# Altium PCB Master.PcbDoc (part 1 of 2)
Units mm, origin at the board's own origin, x right, y up, seen from the top; angles counter-clockwise.
Board outline 200 x 100 mm, 2 copper layers (Top Layer, Bottom Layer); 93 components, 64 nets, 321 pads, 80 vias.
Unrouted connection lines stored in the file: 1.
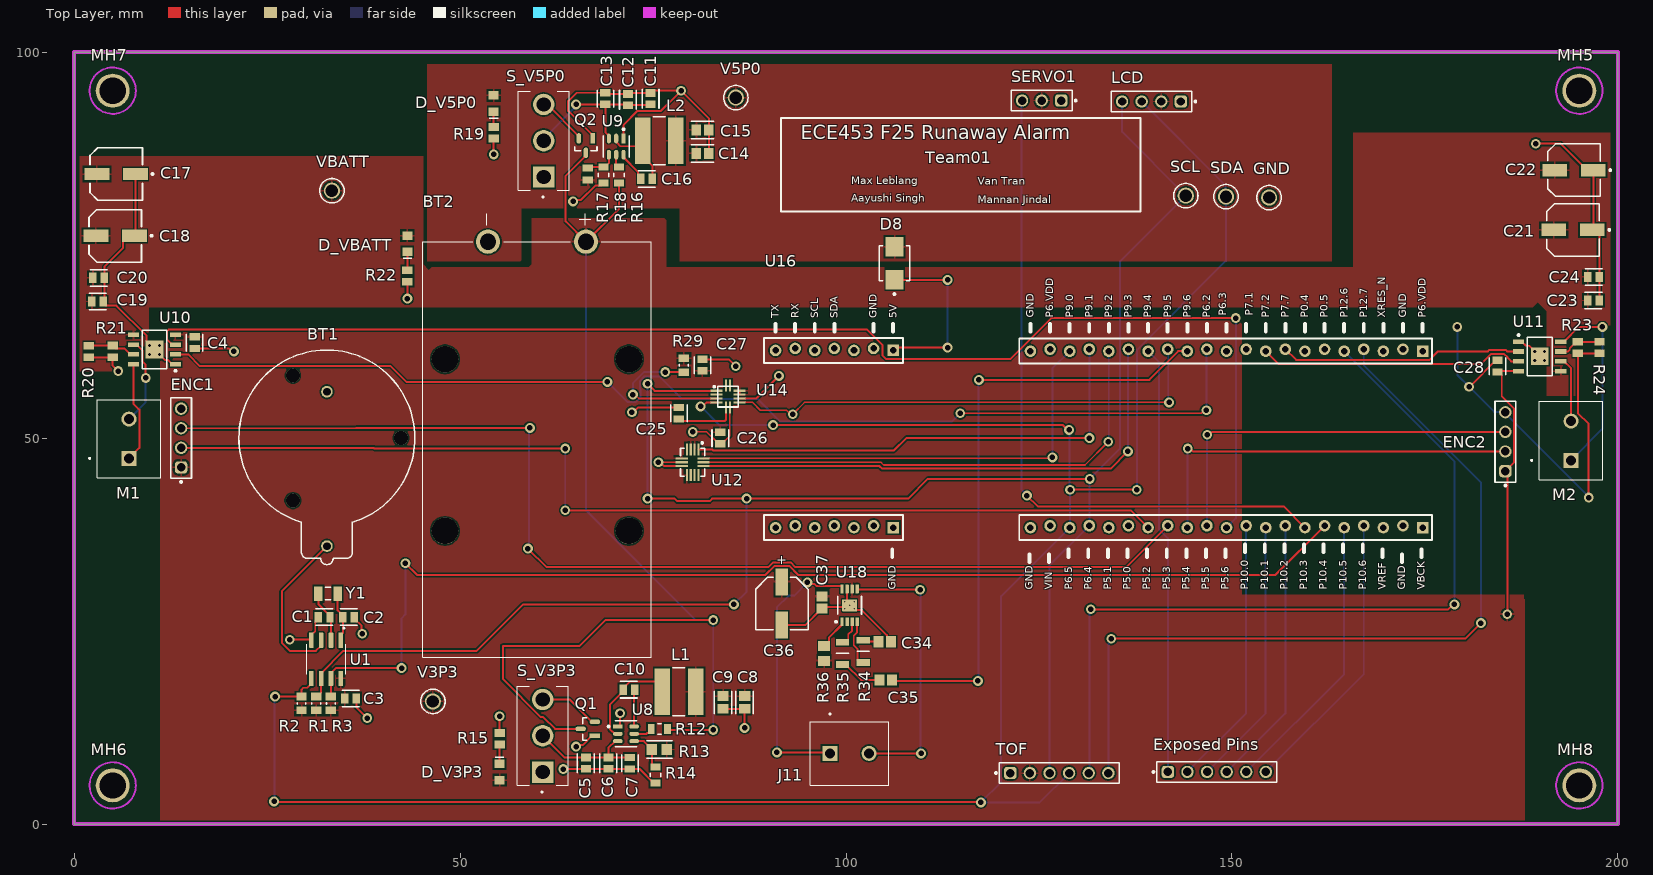
[diagram p0: Top Layer view]
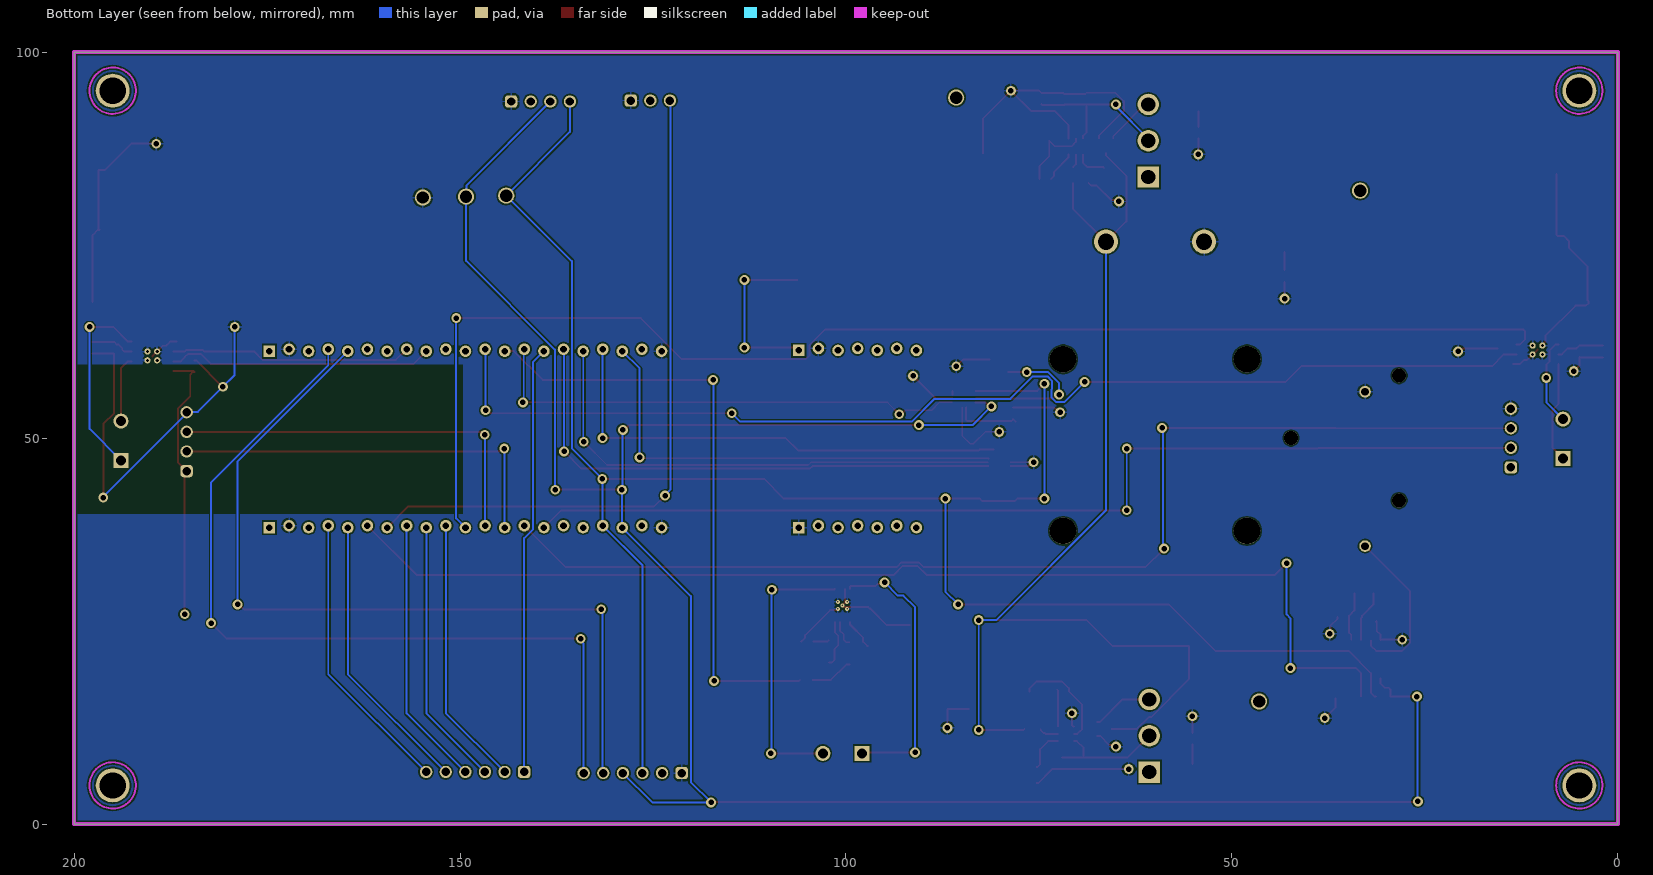
[diagram p1: Bottom Layer view, seen from below]
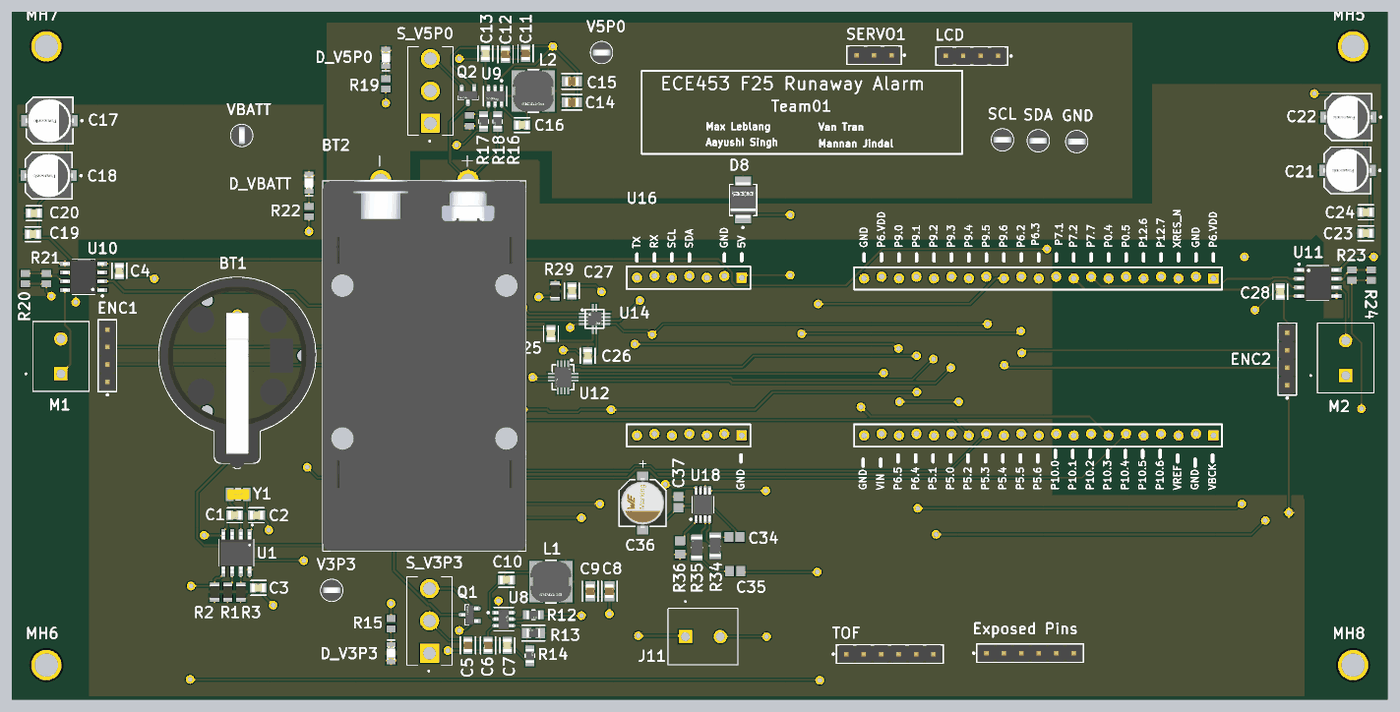
[diagram p3: 3D render of the assembled board from above, using the file's embedded part models]

## Layer stack, top to bottom
Top Solder: solder mask 0.0102, Solder Resist, Dk 3.5
Top Layer: signal copper 0.0356
Dielectric 1: dielectric 0.32, FR-4, Dk 4.8
Bottom Layer: signal copper 0.0356
Bottom Solder: solder mask 0.0102, Solder Resist, Dk 3.5

## Board outline
0,0 0,100 200,100 200,99.975 200,0

## Design rules (kind name [scope] priority, off if disabled: settings)
Clearance [All] p1: gap=0.2 ignorepadtopadclearanceinfootprint=FALSE
PolygonConnect [All] p1: connectstyle=Relief reliefconductorwidth=0.254 reliefentries=4 polygonreliefangle="90 Angle" airgapwidth=0.254
RoutingVias [All] p1: holewidth=0.711 width=1.27 viastyle="Through Hole" minholewidth=0.711 minwidth=1.27 maxholewidth=0.711 maxwidth=1.27
SolderMaskExpansion [All] p1: expansion=0.102 istentingtop=FALSE
SupplyNets "Schematic Supply Nets_5" [InNet('VBAT_RTC')] p1: voltage=0.000
SupplyNets "Schematic Supply Nets_4" [InNet('V5P0_PROTO')] p2: voltage=0.000
SupplyNets "Schematic Supply Nets_3" [InNet('VBATT')] p3: voltage=0.000
SupplyNets "Schematic Supply Nets_2" [InNet('V3P3')] p4: voltage=0.000
SupplyNets "Schematic Supply Nets_1" [InNet('GND')] p5: voltage=0.000
SupplyNets "Schematic Supply Nets" [InNet('V5P0')] p6: voltage=0.000
Width [All] p1: maxlimit=0.254 minlimit=0.2 preferedwidth=0.254 minimp=50.000000 maximp=50.000000 favimp=50.000000
30 further rules are at their usual default settings.

## Classes and differential pairs
component class Speaker: C34 C35 C36 C37 J11 R34 R35 R36 U18
component class IMU: C25 C26 C27 R29 U12 U14
component class driver2: C21 C22 C23 C24 C28 ENC2 M2 R23 R24 U11
component class driver1: C4 C17 C18 C19 C20 D_VBATT ENC1 M1 R20 R21 R22 U10
component class Carrier_Power: D8
component class Carrier_MCU: MH5 MH6 MH7 MH8 U16 U17
component class 05-Power-V5P0: C11 C12 C13 C14 C15 C16 D_V5P0 L2 Q2 R16 R17 R18 R19 S_V5P0 U9
component class 04-Power-V3P3: C5 C6 C7 C8 C9 C10 D_V3P3 L1 Q1 R12 R13 R14 R15 S_V3P3 U8
component class 03-Batteries: "Exposed Pins" GND LCD SCL SDA SERVO1 TOF V3P3 V5P0 VBATT
component class 02-RTC: BT1 C1 C2 C3 GND1 R1 R2 R3 U1 Y1

## Components (designator, comment, footprint, x,y, rotation, side; value= is the part's Value field where it differs from the comment)
BT1 "79528211" 79528211 32.75,50 r90 top
BT2 "1294" BAT_1294 59.967,48.513 r270 top
C1 "C0805C104K5RACTU" FP-C0805C-DN-MFG 32.397,26.797 r180 top value="12 pF"
C2 "C0805C104K5RACTU" FP-C0805C-DN-MFG 35.56,26.797 r0 top value="12 pF"
C3 "C0805C104K5RACTU" FP-C0805C-DN-MFG 35.814,16.256 r0 top value="0.10 μF"
C4 "C0805C104K5RACTU" FP-C0805C-DN-MFG 15.621,62.357 r270 top value="0.10 μF"
C5 "GRM21BR61E106KA73L" FP-GRM21B-0_15-IPC_C 66.294,7.874 r270 top value=10uF
C6 "GRM21BR61E106KA73L" FP-GRM21B-0_15-IPC_C 69.215,7.874 r270 top value=10uF
C7 "C0805C104K5RACTU" FP-C0805C-DN-MFG 72.009,7.874 r270 top value="0.10 μF"
C8 "GRM21BR61E226ME44L" FP-GRM21B-0_2-e0_2_0_7-IPC_B 86.868,15.748 r90 top value=22uF
C9 "GRM21BR61E226ME44L" FP-GRM21B-0_2-e0_2_0_7-IPC_B 84.074,15.748 r90 top value=22uF
C10 "C0805C104K5RACTU" FP-C0805C-DN-MFG 71.882,17.399 r180 top value="0.10 μF"
C11 "GRM21BR61E106KA73L" FP-GRM21B-0_15-IPC_C 74.676,93.98 r90 top value=10uF
C12 "GRM21BR61E106KA73L" FP-GRM21B-0_15-IPC_C 71.755,93.853 r90 top value=10uF
C13 "C0805C104K5RACTU" FP-C0805C-DN-MFG 68.834,93.98 r90 top value="0.10 μF"
C14 "GRM21BR61E226ME44L" FP-GRM21B-0_2-e0_2_0_7-IPC_B 81.407,86.868 r180 top value=22uF
C15 "GRM21BR61E226ME44L" FP-GRM21B-0_2-e0_2_0_7-IPC_B 81.407,89.916 r180 top value=22uF
C16 "C0805C104K5RACTU" FP-C0805C-DN-MFG 74.168,83.566 r180 top value="0.10 μF"
C17 "EEE-1EA101XP" FP-SD8-MFG 5.461,84.201 r180 top value=100uF
C18 "EEE-1EA101XP" FP-SD8-MFG 5.334,76.2 r180 top value=100uF
C19 "C0805C106K8PACTU" FP-C0805C-DG-MFG 3.048,67.691 r0 top value=10uF
C20 "C0805C106K8PACTU" FP-C0805C-DG-MFG 3.175,70.739 r0 top value=10uF
C21 "EEE-1EA101XP" FP-SD8-MFG 194.183,76.962 r180 top value=100uF
C22 "EEE-1EA101XP" FP-SD8-MFG 194.31,84.709 r180 top value=100uF
C23 "C0805C106K8PACTU" FP-C0805C-DG-MFG 196.838,67.818 r0 top value=10uF
C24 "C0805C106K8PACTU" FP-C0805C-DG-MFG 196.85,70.866 r0 top value=10uF
C25 "C0805C104K5RACTU" FP-C0805C-DN-MFG 78.359,53.213 r90 top value="0.10 μF"
C26 "C0805C104K5RACTU" FP-C0805C-DN-MFG 83.718,50 r270 top value="0.10 μF"
C27 "C0805C104K5RACTU" FP-C0805C-DN-MFG 81.407,59.448 r90 top value="0.10 μF"
C28 "C0805C104K5RACTU" FP-C0805C-DN-MFG 184.404,59.309 r90 top value="0.10 μF"
C34 "1uF" CAPC2013X145X50NL20T25 105.029,23.622 r180 top
C35 "1uF" CAPC2013X145X50NL20T25 105.156,18.669 r180 top
C36 "220uF" WCAP-AS5H_D6.3H7.7 91.694,28.575 r90 top
C37 "1uF" CAPC2013X145X50NL20T25 96.901,28.702 r90 top
D8 "B340LB-13-F" FP-SMB-MFG 106.299,72.644 r90 top value=180pF
D_V3P3 "150080GS75000" WL-SMCW_0805_150080xx75000 55.118,6.731 r270 top
D_V5P0 "150080GS75000" WL-SMCW_0805_150080xx75000 54.356,93.345 r90 top
D_VBATT "150080GS75000" WL-SMCW_0805_150080xx75000 43.18,75.184 r90 top
ENC1 "61300411121" 61300411121 13.866,50 r90 top
ENC2 "61300411121" 61300411121 185.42,49.53 r90 top
"Exposed Pins" "61300611121" 61300611121 148.044,6.743 r0 top
GND "TP_GND" KSTN-5011_V 154.813,81.153 r0 top
J11 "CONN_TB006_-508-02BE" "CUI_TB006 -508-02BE" 97.917,9.144 r0 top
L1 "SRN6045-3R3Y" FP-SRN6045-MFG 78.359,17.145 r180 top
L2 "SRN6045-3R3Y" FP-SRN6045-MFG 75.819,88.519 r180 top
LCD "61300411121" 61300411121 139.573,93.599 r180 top
M1 "CONN_TB006_-508-02BE" "CUI_TB006 -508-02BE" 7.112,47.371 r90 top
M2 "CONN_TB006_-508-02BE" "CUI_TB006 -508-02BE" 193.929,47.117 r90 top
MH5 "MHOLE_M3" MHOLE_M3 195,95 r0 top
MH6 "MHOLE_M3" MHOLE_M3 5,5 r0 top
MH7 "MHOLE_M3" MHOLE_M3 5,95 r0 top
MH8 "MHOLE_M3" MHOLE_M3 195,5 r0 top
Q1 "DMG2305UX-7" FP-SOT23-IPC_B 66.548,12.319 r180 top
Q2 "DMG2305UX-7" FP-SOT23-IPC_B 66.294,87.884 r270 top
R1 "RC0805FR-0710KL" RESC2013X60X35NL10T20 31.369,15.621 r90 top
R2 "RC0805FR-0710KL" RESC2013X60X35NL10T20 29.464,15.621 r90 top
R3 "RC0805FR-0710KL" RESC2013X60X35NL10T20 33.274,15.621 r90 top
R12 "RMCF0805FT10K0" FP-RMCF0805-MFG 75.819,12.319 r0 top value=10kR
R13 "RMCF0805FT33K2" FP-RMCF0805-IPC_A 75.819,9.652 r180 top value=33.2kR
R14 "RMCF0805FT10K0" FP-RMCF0805-MFG 75.311,6.35 r90 top value=10kR
R15 "330R" RESC2013X60X40LL20T25 55.118,11.049 r270 top
R16 "RMCF0805FT10K0" FP-RMCF0805-MFG 70.612,84.074 r270 top value=10kR
R17 "ERJ-6ENF5492V" RESC2013X70X40LL20T20 66.548,84.201 r90 top value=54.9kR
R18 "RMCF0805FT10K0" FP-RMCF0805-MFG 68.58,84.074 r270 top value=10kR
R19 "330R" RESC2013X60X40LL20T25 54.356,89.547 r90 top
R20 "0.2R" RESC2013X60X40LL20T25 1.905,61.214 r90 top value=200mR
R21 "0.2R" RESC2013X60X40LL20T25 5,61.228 r90 top value=200mR
R22 "330R" RESC2013X60X40LL20T25 43.18,70.993 r90 top
R23 "0.2R" RESC2013X60X40LL20T25 194.818,61.722 r90 top value=200mR
R24 "0.2R" RESC2013X60X40LL20T25 197.612,61.722 r90 top value=200mR
R29 "RC0805FR-0710KL" RESC2013X60X35NL10T20 78.994,59.436 r270 top
R34 "301k" FP-CRCW1206-Pe3-MFG 102.235,22.352 r270 top
R35 "301k" FP-CRCW1206-Pe3-MFG 99.568,22.098 r90 top
R36 "10K" RESC2013X55X40ML15T20 97.155,22.098 r90 top
S_V3P3 "500SSP1S2M2QEA" SW_500SSP1S2M2QEA 60.706,11.429 r90 top
S_V5P0 "500SSP1S2M2QEA" SW_500SSP1S2M2QEA 60.833,88.518 r90 top
SCL "TP_SCL" KSTN-5011_V 144.018,81.407 r0 top
SDA "TP_SDA" KSTN-5011_V 149.225,81.28 r0 top
SERVO1 "61300311121" 61300311121 125.349,93.726 r180 top
TOF "61300611121" 61300611121 127.635,6.604 r0 top
U1 "BQ32002DR" SOIC127P599X175-8N 32.639,21.336 r270 top
U8 "TPS562201DDCR" FP-DDC0006A-IPC_C 71.501,11.684 r0 top
U9 "TPS562201DDCR" FP-DDC0006A-IPC_C 70.231,87.757 r270 top
U10 "IC_DRV8251DDAR" SOIC_8_PP 10.414,61.468 r180 top
U11 "IC_DRV8251DDAR" SOIC_8_PP 189.865,60.579 r0 top
U12 "LSM6DSMTR" LSM6DSMTR 80.137,46.863 r270 top
U14 "IIS2MDCTR" FP-LGA-12-DM00170568-MFG 84.709,55.372 r0 top
U16 "CY8CPROTO-063-BLE" CY8CPROTO-063-BLE 132.784,50 r90 top
U18 "TPA2005D1DGN" DGN0008D_L 100.457,28.321 r90 top
V3P3 "TP_V3P3" KSTN-5011_V 46.482,15.875 r0 top
V5P0 "TP_V5P0" KSTN-5011_V 85.725,94.107 r0 top
VBATT "TP_VBATT" KSTN-5011_V 33.401,82.042 r90 top
Y1 "ABS07-32.768KHZ-T" FP-ABS07-MFG 32.893,29.845 r180 top

## Footprints (in the part's own frame and the unit in brackets; to place one, negate y for a bottom-side part, rotate by r counter-clockwise, add the part's x,y. Pads: shape width x height; smd on the part's side, far side on the other; paste and mask are expansions set on the pad)
79528211 [mm] "Battery Holder"
  round 1.5 hole 1: 1(-14,0) 2(6,0)
  round 1.8 hole 1.8 unplated: MH1(-8.1,4.4) MH2(8.1,4.4) MH3(0,-9.6)
  silkscreen extent -16.4,-11.4 11.4,11.4, body extent -16.4,-11.4 11.4,11.4, height 8.5
61300311121 [mm] "Pin Header, pitch 2.54 mm, THT, Vertical, single row, 3p"
  rrect50% 1.6x1.6 hole 1.1: 1(-2.54,0)
  round 1.6 hole 1.1: 2(0,0) 3(2.54,0)
  silkscreen extent -4.53,-1.35 3.96,1.35, body extent -3.81,-1.27 3.81,1.27, height 8.57
61300411121 [mm] "Pin Header, pitch 2.54 mm, THT, Vertical, single row, 4p"
  rrect50% 1.6x1.6 hole 1.1: 1(-3.81,0)
  round 1.6 hole 1.1: 2(-1.27,0) 3(1.27,0) 4(3.81,0)
  silkscreen extent -5.8,-1.35 5.23,1.35, body extent -5.08,-1.27 5.08,1.27, height 8.57
61300611121 [mm] "Pin Header, pitch 2.54 mm, THT, Vertical, single row, 6p"
  rrect50% 1.6x1.6 hole 1.1: 1(-6.35,0)
  round 1.6 hole 1.1: 2(-3.81,0) 3(-1.27,0) 4(1.27,0) 5(3.81,0) 6(6.35,0)
  silkscreen extent -8.34,-1.35 7.77,1.35, body extent -7.62,-1.27 7.62,1.27, height 8.57
BAT_1294 [mm]
  round 3.126 hole 2.11: N(-26.925,-6.35) P(-26.925,6.35)
  round 3.45 hole 3.45 unplated: ""(-11.685,11.915) ""(-11.685,-11.915) ""(10.545,11.915) ""(10.545,-11.915)
  silkscreen extent -30.56,-14.78 26.93,14.78, body extent -27.23,-14.78 26.92,14.78, height 20.32
CAPC2013X145X50NL20T25 [mm] "Chip Capacitor, 2-Leads, Body 2.00x1.25mm, IPC Medium Density"
  rect 1.3x1.45 smd: 1(-0.8,0) 2(0.8,0)
  body extent -1.1,-0.72 1.1,0.72, height 1.45
"CUI_TB006 -508-02BE" [mm]
  rect 1.95x1.95 / inner round 1.95 / far side rect 1.95x1.95 hole 1.3: 1(0,0)
  round 1.95 hole 1.3: 2(5.08,0)
  silkscreen extent -2.54,-4.1 7.62,5.2
CY8CPROTO-063-BLE [mm]
  rect 1.5x1.5 hole 0.85: J1.1(11.253,-41.911) J2.1(-11.607,-41.911) J6.1(11.353,26.671) J7.1(-11.607,26.671)
  round 1.5 hole 0.85: J1.2(11.507,-39.371) J1.3(11.253,-36.831) J1.4(11.507,-34.291) J1.5(11.253,-31.751) J1.6(11.507,-29.211) J1.7(11.253,-26.671) J1.8(11.507,-24.131) J1.9(11.253,-21.591) J1.10(11.507,-19.051) J1.11(11.253,-16.511) J1.12(11.507,-13.971) J1.13(11.253,-11.431) J1.14(11.507,-8.891) J1.15(11.253,-6.351) J1.16(11.507,-3.811) J1.17(11.253,-1.271) J1.18(11.507,1.269) J1.19(11.253,3.809) J1.20(11.507,6.349) J1.21(11.253,8.889) J2.2(-11.353,-39.371) J2.3(-11.607,-36.831) J2.4(-11.353,-34.291) J2.5(-11.607,-31.751) J2.6(-11.353,-29.211) J2.7(-11.607,-26.671) J2.8(-11.353,-24.131) J2.9(-11.607,-21.591) J2.10(-11.353,-19.051) J2.11(-11.607,-16.511) J2.12(-11.353,-13.971) J2.13(-11.607,-11.431) J2.14(-11.353,-8.891) J2.15(-11.607,-6.351) J2.16(-11.353,-3.811) J2.17(-11.607,-1.271) J2.18(-11.353,1.269) J2.19(-11.607,3.809) J2.20(-11.353,6.349) J2.21(-11.607,8.889) J6.2(11.607,29.211) J6.3(11.353,31.751) J6.4(11.607,34.291) J6.5(11.353,36.831) J6.6(11.607,39.371) J6.7(11.353,41.911) J7.2(-11.353,29.211) J7.3(-11.607,31.751) J7.4(-11.353,34.291) J7.5(-11.607,36.831) J7.6(-11.353,39.371) J7.7(-11.607,41.911)
  silkscreen extent -16.05,-43.16 14.79,43.42
DGN0008D_L [mm] "TSOP, 8-Leads, Body 3.1x3.1mm, Pitch 0.65mm, Thermal Pad 1.89x1.57mm, IPC High Density"
  rrect22% 1.15x0.45 smd: 1(-2.125,0.975) 2(-2.125,0.325) 3(-2.125,-0.325) 4(-2.125,-0.975) 5(2.125,-0.975) 6(2.125,-0.325) 7(2.125,0.325) 8(2.125,0.975)
  rrect6% 1.57x1.89 smd: 9(0,0)
  silkscreen extent -2.25,-1.55 1.15,1.87, body extent -2.45,-1.5 2.45,1.5, height 0.94
FP-ABS07-MFG [mm]
  rect 1.1x1.9 smd paste+0 mask+0: 1(-1.25,0) 2(1.25,0)
  silkscreen extent -0.33,-0.8 0.33,0.8, body extent -1.9,-1.05 1.9,1.05, height 0.25
FP-C0805C-DG-MFG [mm]
  rect 0.95x1.35 smd paste+0 mask+0: 1(-0.75,0) 2(0.75,0)
  silkscreen extent -1.11,-1.08 1.1,1.07, body extent -1.4,-0.85 1.4,0.85, height 0.25
FP-C0805C-DN-MFG [mm]
  rect 0.95x1.35 smd paste+0 mask+0: 1(-0.75,0) 2(0.75,0)
  silkscreen extent -1.1,-1.07 1.1,1.07, body extent -1.4,-0.85 1.4,0.85, height 0.25
FP-CRCW1206-Pe3-MFG [mm]
  rect 0.9x1.7 smd paste+0 mask+0: 1(-1.45,0) 2(1.45,0)
  silkscreen extent 0,-0.8 0,0.8, body extent -2,-0.97 2,0.97, height 0.25
FP-DDC0006A-IPC_C [mm]
  rect 1.254x0.532 smd paste+0 mask+0: 1(-1.05,0.95)
  rrect100% 1.254x0.532 smd paste+0 mask+0: 2(-1.05,0) 3(-1.05,-0.95) 4(1.05,-0.95) 5(1.05,0) 6(1.05,0.95)
  silkscreen extent -2.37,-1.7 1.4,1.7, body extent -1.78,-1.55 1.78,1.55, height 0.25
FP-GRM21B-0_2-e0_2_0_7-IPC_B [mm]
  rect 1.255x1.456 smd paste+0 mask+0: 1(-0.826,0) 2(0.826,0)
  silkscreen extent -1.45,-1.13 1.45,1.13, body extent -1.7,-0.98 1.7,0.98, height 0.25
FP-GRM21B-0_15-IPC_C [mm]
  rect 1.006x1.308 smd paste+0 mask+0: 1(-0.726,0) 2(0.726,0)
  silkscreen extent -1.23,-1.1 1.23,1.1, body extent -1.33,-0.8 1.33,0.8, height 0.25
FP-LGA-12-DM00170568-MFG [mm]
  rect 1.575x0.28 smd paste-1000 mask+0: 1(-1.5,0.75) 2(-1.5,0.25) 3(-1.5,-0.25) 4(-1.5,-0.75) 7(1.5,-0.75) 8(1.5,-0.25) 9(1.5,0.25) 10(1.5,0.75)
  rect 0.28x1.575 smd paste-1000 mask+0: 5(-0.25,-1.413) 6(0.25,-1.413) 11(0.25,1.413) 12(-0.25,1.413)
  silkscreen extent -1.9,-1.35 1.35,1.4, body extent -1.55,-1.55 1.55,1.55, height 0.25
FP-RMCF0805-IPC_A [mm]
  rect 1.355x1.462 smd paste+0 mask+0: 1(-0.976,0) 2(0.976,0)
  silkscreen extent -1.65,-1.13 1.65,1.13, body extent -2.15,-1.23 2.15,1.23, height 0.25
FP-RMCF0805-MFG [mm]
  rect 0.9x1.3 smd paste+0 mask+0: 1(-1.05,0) 2(1.05,0)
  silkscreen extent -0.23,-0.67 0.23,0.67, body extent -1.6,-0.77 1.6,0.77, height 0.25
FP-SD8-MFG [mm]
  rect 3.2x1.6 smd paste+0 mask+0: 1(-2.5,0) 2(2.5,0)
  silkscreen extent -4.83,-3.4 3.4,3.4, body extent -4.35,-3.65 4.35,3.65, height 0.25
FP-SMB-MFG [mm]
  rect 2.5x2.3 smd paste+0 mask+0: 1(-2.15,0) 2(2.15,0)
  silkscreen extent -4.12,-1.97 2.28,1.97, body extent -3.5,-2.07 3.5,2.07, height 0.25
FP-SOT23-IPC_B [mm]
  rect 1.359x0.587 smd paste+0 mask+0: 1(-0.927,0.915)
  rrect100% 1.359x0.587 smd paste+0 mask+0: 2(-0.927,-0.915) 3(0.927,0)
  silkscreen extent 0.13,-1.45 0.65,1.45, body extent -1.86,-1.7 1.86,1.7, height 0.25
FP-SRN6045-MFG [mm]
  rect 2x6 smd paste+0 mask+0: 1(-2.15,0) 2(2.15,0)
  silkscreen extent -0.77,-3.1 0.77,3.1, body extent -3.25,-3.2 3.25,3.2, height 0.25
KSTN-5011_V [mm] "Test Point, Dia 3.17mm"
  round 2.1 hole 1.6: 1(0,0)
  silkscreen extent -1.59,-1.58 1.59,1.58, body extent -1.59,-1.59 1.59,1.59, height 8.13
LSM6DSMTR [mm]
  rect 1.575x0.28 smd paste+0 mask+0: 1(-1.662,0.75) 2(-1.662,0.25) 3(-1.662,-0.25) 4(-1.662,-0.75) 8(1.662,-0.75) 9(1.662,-0.25) 10(1.662,0.25) 11(1.662,0.75)
  rect 0.28x1.575 smd paste+0 mask+0: 5(-0.5,-1.413) 6(0,-1.413) 7(0.5,-1.413) 12(0.5,1.413) 13(0,1.413) 14(-0.5,1.413)
  silkscreen extent -2.62,-1.58 1.83,1.58, body extent -2.05,-1.8 2.05,1.8, height 0.25
MHOLE_M3 [mm]
  round 4.4 hole 3.4 mask-2539.97: 1(0,0)
  Keep-Out Layer circle w0.254: c0,0 r3
RESC2013X55X40ML15T20 [mm] "Chip Resistor, 2-Leads, Body 2.00x1.25mm, IPC Low Density"
  rect 1.3x1.5 smd: 1(-0.975,0) 2(0.975,0)
  body extent -1.07,-0.7 1.08,0.7, height 0.55
RESC2013X60X35NL10T20 [mm] "Chip Resistor, 2-Leads, Body 2.1x1.35mm, IPC Medium Density"
  rect 1x1.35 smd: 1(-0.9,0) 2(0.9,0)
  silkscreen extent -0.1,-0.58 0.1,0.58, body extent -1.05,-0.68 1.05,0.67, height 0.6
RESC2013X60X40LL20T25 [mm] "Chip Resistor, 2-Leads, Body 2.00x1.25mm, IPC High Density"
  rect 1x1.35 smd: 1(-0.75,0) 2(0.75,0)
  body extent -1.1,-0.72 1.1,0.72, height 0.6
RESC2013X70X40LL20T20 [mm] "Chip Resistor, 2-Leads, Body 2.00x1.25mm, IPC High Density"
  rect 0.95x1.35 smd: 1(-0.775,0) 2(0.775,0)
  body extent -1.1,-0.72 1.1,0.72, height 0.7
SOIC127P599X175-8N [mm]
  rrect25% 1.97x0.6 smd: 1(-2.47,1.905) 2(-2.47,0.635) 3(-2.47,-0.635) 4(-2.47,-1.905) 5(2.47,-1.905) 6(2.47,-0.635) 7(2.47,0.635) 8(2.47,1.905)
  silkscreen extent -4.14,-2.52 1.95,2.52, body extent -3,-2.45 3,2.45, height 1.75
SOIC_8_PP [mm] "SOIC, 8-Leads, Body 4.90x3.90mm, Pitch 1.27mm, Thermal Pad 2.29x2.29mm, IPC Medium Density"
  rect 1.45x0.6 smd: 1(-2.725,1.905) 2(-2.725,0.635) 3(-2.725,-0.635) 4(-2.725,-1.905) 5(2.725,-1.905) 6(2.725,-0.635) 7(2.725,0.635) 8(2.725,1.905)
  round 0.8 hole 0.4: 9(-0.635,0.635) 9(-0.635,-0.508) 9(0.635,0.635) 9(0.635,-0.508)
  rect 2.29x2.29 smd: 9(0,0)
  silkscreen extent -2.85,-2.5 1.6,2.88, body extent -3,-2.5 3,2.5, height 1.7
SW_500SSP1S2M2QEA [mm]
  rect 2.775x2.775 hole 1.85: 1(-4.7,0)
  round 2.775 hole 1.85: 2(0,0) 3(4.7,0)
  silkscreen extent -7.4,-3.3 6.43,3.3
WCAP-AS5H_D6.3H7.7 [mm] "Aluminum Electrolytic Capacitors, 6.3x7.7mm"
  rect 3.5x1.6 smd: 1(2.8,0) 2(-2.8,0)
  silkscreen extent -3.4,-3.4 3.4,3.4, body extent -3.65,-3.3 3.65,3.3, height 7.7
WL-SMCW_0805_150080xx75000 [mm] "SMD Mono-color Chip LED, body 2.0x1.25mm"
  rect 1.1x1.3 smd: 1(-1.05,0) 2(1.05,0)
  silkscreen extent -2,-0.6 -1.8,0.6, body extent -1,-0.63 1,0.62, height 0.7

## Part data
BT1: library part CMP-03913-94032818-1, "79528211 Battery holder, 12VDC, 30 mOhm, 2025, 2032 battery type, black, THT mount", Current Rating=500mA, Insulation Resistance=100MΩ, Max Operating Temperature=85°C, Min Operating Temperature=-25°C, NexarPartId=94032818, RoHS=Compliant
BT2: "Batteries/Accessories", Manufacturer 1="Keystone Electronics", Package="NON STANDARD-6 Keystone", Supplier Part Number 1=36-1294-ND, Category="Batteries and Accessories", Check_prices=https://www.snapeda.com/parts/1294/Keystone/view-part/?ref=eda, ComponentLink1Description=https://datasheet.ciiva.com:443/pdfs/VipMasterIC/IC/KEYC/KEYCS01036/KEYCS02682-1.pdf?src-supplier=IHS+Markit, ComponentLink1URL=https://datasheet.ciiva.com:443/pdfs/VipMasterIC/IC/KEYC/KEYCS01036/KEYCS02682-1.pdf?src-supplier=IHS+Markit, ComponentLink2Description=https://datasheet.ciiva.com/1391/1716650-1391274.pdf?src-supplier=Element14, ComponentLink2URL=https://datasheet.ciiva.com/1391/1716650-1391274.pdf?src-supplier=Element14, ComponentLink3Description=https://datasheet.ciiva.com/4/1294-4181.pdf?src-supplier=Digikey, ComponentLink3URL=https://datasheet.ciiva.com/4/1294-4181.pdf?src-supplier=Digikey, ComponentLink4Description=https://datasheet.ciiva.com/18403/70182887-18403178.pdf?src-supplier=Allied+Electronics, ComponentLink4URL=https://datasheet.ciiva.com/18403/70182887-18403178.pdf?src-supplier=Allied+Electronics, Connector Type=PCB, Contact Finish - Mating="NOT SPECIFIED", DIN Conformance=No, IEC Conformance=No, Manufacturer Part Number=1294, MF="Keystone Electronics", MIL Conformance=No, MP=1294, Option="General Purpose", Pricing="1=2.89, 10=2.75, 500=2.13, 1000=1.65275, 2500=1.54001 (USD)", Reach SVHC Compliant=Yes, RoHS=Yes, RoHS Compliant=Yes, SnapEDA_Link=https://www.snapeda.com/parts/1294/Keystone/view-part/?ref=snap, Stock=8657, Supplier 1=Digikey
C1 C2: library part CMP-2007-00279-2, "CAP CER 0.1UF 50V X7R 0805", Capacitance="12 pF", Case Code (Imperial)=0805, Case Code (Metric)=2012, Dielectric=X7R, Dielectric Material=Ceramic, Manufacturer=KEMET, Max Operating Temperature=125°C, Min Operating Temperature=-55°C, Package=C0805C-DN, Package Quantity=4000, Supplier Part Number 1=399-C0805C104K5RAC7800CT-ND, Temperature="-55°C to +125°C", Temperature Coefficient=30ppm/°C, Temperature Range High=+125°C, Tolerance=0.1, Voltage=500V, Voltage Rating="50 V", Voltage Rating (DC)=50V, Automotive=No, Case/Package=0805, Category=Cap, ComponentLink2Description=Datasheet, ComponentLink2URL=https://content.kemet.com/datasheets/KEM_C1003_C0G_SMD.pdf, Construction=Flat, Contact Plating=Tin,Matte, Depth=1.25mm, Device Class L1="Passive Components", Device Class L2=Capacitors, Device Class L3="Ceramic Capacitors", Digikey Description="CAP CER 0.1UF 50V X7R 0805", Height=0.88mm, Ipc Land Pattern Name=CAPC200125X78, Lead Free=Yes, Lead Pitch=0.75mm, Length=2mm, Manufacturer 1=KEMET, Manufacturer Part Number=C0805C104K5RACTU, Manufacturer Part Number 1=C0805C104K5RACTU, Material=Ceramic, Mount="Surface Mount,PCB", Mouser Description="Cap Ceramic 0.1uF 50V X7R 10% SMD 2.0 x 1.2 mm 125 C Paper T/R", Number of Pins=2, Octopart=https://octopart.com/c0805c104k5ractu-kemet-143926, Packaging="Tape and Reel", Pricing 1="1=0.14000, 10=0.09700, 50=0.05480, 100=0.04540, 500=0.03182, 1000=0.02634 (USD)", Radiation Hardening=No, Reach SVHC Compliant=Yes, RoHS=TRUE, RoHS Compliant=Yes, Series="SMD Comm X7R", Stock 1=2163733, Supplier 1=Digi-Key, Temperature Characteristic=X7R, Temperature Range Low=-55°C, Termination=SMD/SMT, Thickness=0.035inch, Width=1.2mm
C3: library part CMP-2007-00279-2, "CAP CER 0.1UF 50V X7R 0805", Capacitance="0.10 μF", Case Code (Imperial)=0805, Case Code (Metric)=2012, Dielectric=X7R, Dielectric Material=Ceramic, Manufacturer=KEMET, Max Operating Temperature=125°C, Min Operating Temperature=-55°C, Package=C0805C-DN, Package Quantity=4000, Supplier Part Number 1=399-C0805C104K5RAC7800CT-ND, Temperature="-55°C to +125°C", Temperature Coefficient=30ppm/°C, Temperature Range High=+125°C, Tolerance=0.1, Voltage=500V, Voltage Rating="50 V", Voltage Rating (DC)=50V, Automotive=No, Case/Package=0805, Category=Cap, ComponentLink2Description=Datasheet, ComponentLink2URL=https://content.kemet.com/datasheets/KEM_C1003_C0G_SMD.pdf, Construction=Flat, Contact Plating=Tin,Matte, Depth=1.25mm, Device Class L1="Passive Components", Device Class L2=Capacitors, Device Class L3="Ceramic Capacitors", Digikey Description="CAP CER 0.1UF 50V X7R 0805", Height=0.88mm, Ipc Land Pattern Name=CAPC200125X78, Lead Free=Yes, Lead Pitch=0.75mm, Length=2mm, Manufacturer 1=KEMET, Manufacturer Part Number=C0805C104K5RACTU, Manufacturer Part Number 1=C0805C104K5RACTU, Material=Ceramic, Mount="Surface Mount,PCB", Mouser Description="Cap Ceramic 0.1uF 50V X7R 10% SMD 2.0 x 1.2 mm 125 C Paper T/R", Number of Pins=2, Octopart=https://octopart.com/c0805c104k5ractu-kemet-143926, Packaging="Tape and Reel", Pricing 1="1=0.14000, 10=0.09700, 50=0.05480, 100=0.04540, 500=0.03182, 1000=0.02634 (USD)", Radiation Hardening=No, Reach SVHC Compliant=Yes, RoHS=TRUE, RoHS Compliant=Yes, Series="SMD Comm X7R", Stock 1=2163733, Supplier 1=Digi-Key, Temperature Characteristic=X7R, Temperature Range Low=-55°C, Termination=SMD/SMT, Thickness=0.035inch, Width=1.2mm
C4 C25 C26 C27 C28: library part CMP-2007-00279-2, "CAP CER 0.1UF 50V X7R 0805", Capacitance="0.10 μF", Case Code (Imperial)=0805, Case Code (Metric)=2012, Dielectric=X7R, Manufacturer=KEMET, Max Operating Temperature=125°C, Min Operating Temperature=-55°C, Package=C0805C-DN, Package Quantity=4000, Supplier Part Number=399-C0805C104K5RAC7800CT-ND, Temperature="-55°C to +125°C", Temperature Coefficient=30ppm/°C, Temperature Range High=+125°C, Tolerance=0.1, Voltage=500V, Voltage Rating="50 V", Voltage Rating (DC)=50V, Automotive=No, Case/Package=0805, Category=Cap, ComponentLink1Description=https://datasheet.ciiva.com/32431/slceramic-chip-condensers-e-32431755.pdf?src-supplier=Distrelec, ComponentLink1URL=https://datasheet.ciiva.com/32431/slceramic-chip-condensers-e-32431755.pdf?src-supplier=Distrelec, ComponentLink2Description=Datasheet, ComponentLink2URL=https://content.kemet.com/datasheets/KEM_C1003_C0G_SMD.pdf, ComponentLink3Description=https://datasheet.ciiva.com/28682/1851736-28682232.pdf?src-supplier=Element14, ComponentLink3URL=https://datasheet.ciiva.com/28682/1851736-28682232.pdf?src-supplier=Element14, ComponentLink4Description=https://datasheet.ciiva.com/18410/70095383-18410815.pdf?src-supplier=Allied+Electronics, ComponentLink4URL=https://datasheet.ciiva.com/18410/70095383-18410815.pdf?src-supplier=Allied+Electronics, ComponentLink5Description=https://datasheet.ciiva.com/14589/70095383-14589048.pdf?src-supplier=Allied+Electronics, ComponentLink5URL=https://datasheet.ciiva.com/14589/70095383-14589048.pdf?src-supplier=Allied+Electronics, Construction=Flat, Depth=1.25mm, Device Class L1="Passive Components", Device Class L2=Capacitors, Device Class L3="Ceramic Capacitors", Digikey Description="CAP CER 0.1UF 50V X7R 0805", Height=0.88mm, Ipc Land Pattern Name=CAPC200125X78, Lead Free=Yes, Lead Pitch=0.75mm, Length=2mm, Manufacturer Part Number=C0805C104K5RACTU, Material=Ceramic, Mounting Technology="Surface Mount,PCB", Mouser Description="Cap Ceramic 0.1uF 50V X7R 10% SMD 2.0 x 1.2 mm 125 C Paper T/R", Octopart=https://octopart.com/c0805c104k5ractu-kemet-143926, Packaging="Tape and Reel", Pins=2, Pricing="1=0.14, 10=0.091, 50=0.0546, 100=0.043, 500=0.03172, 1000=0.02627 (USD)", Radiation Hardening=No, Reach SVHC Compliant=No, RoHS=TRUE, RoHS Compliant=Yes, Series="SMD Comm X7R", Stock=2466194, Supplier=Digikey, Temperature Characteristic=X7R, Temperature Range Low=-55°C, Termination=SMD/SMT, Width=1.2mm